# Altium PCB IOT_V1.2.PcbDoc (part 1 of 2) (continued)
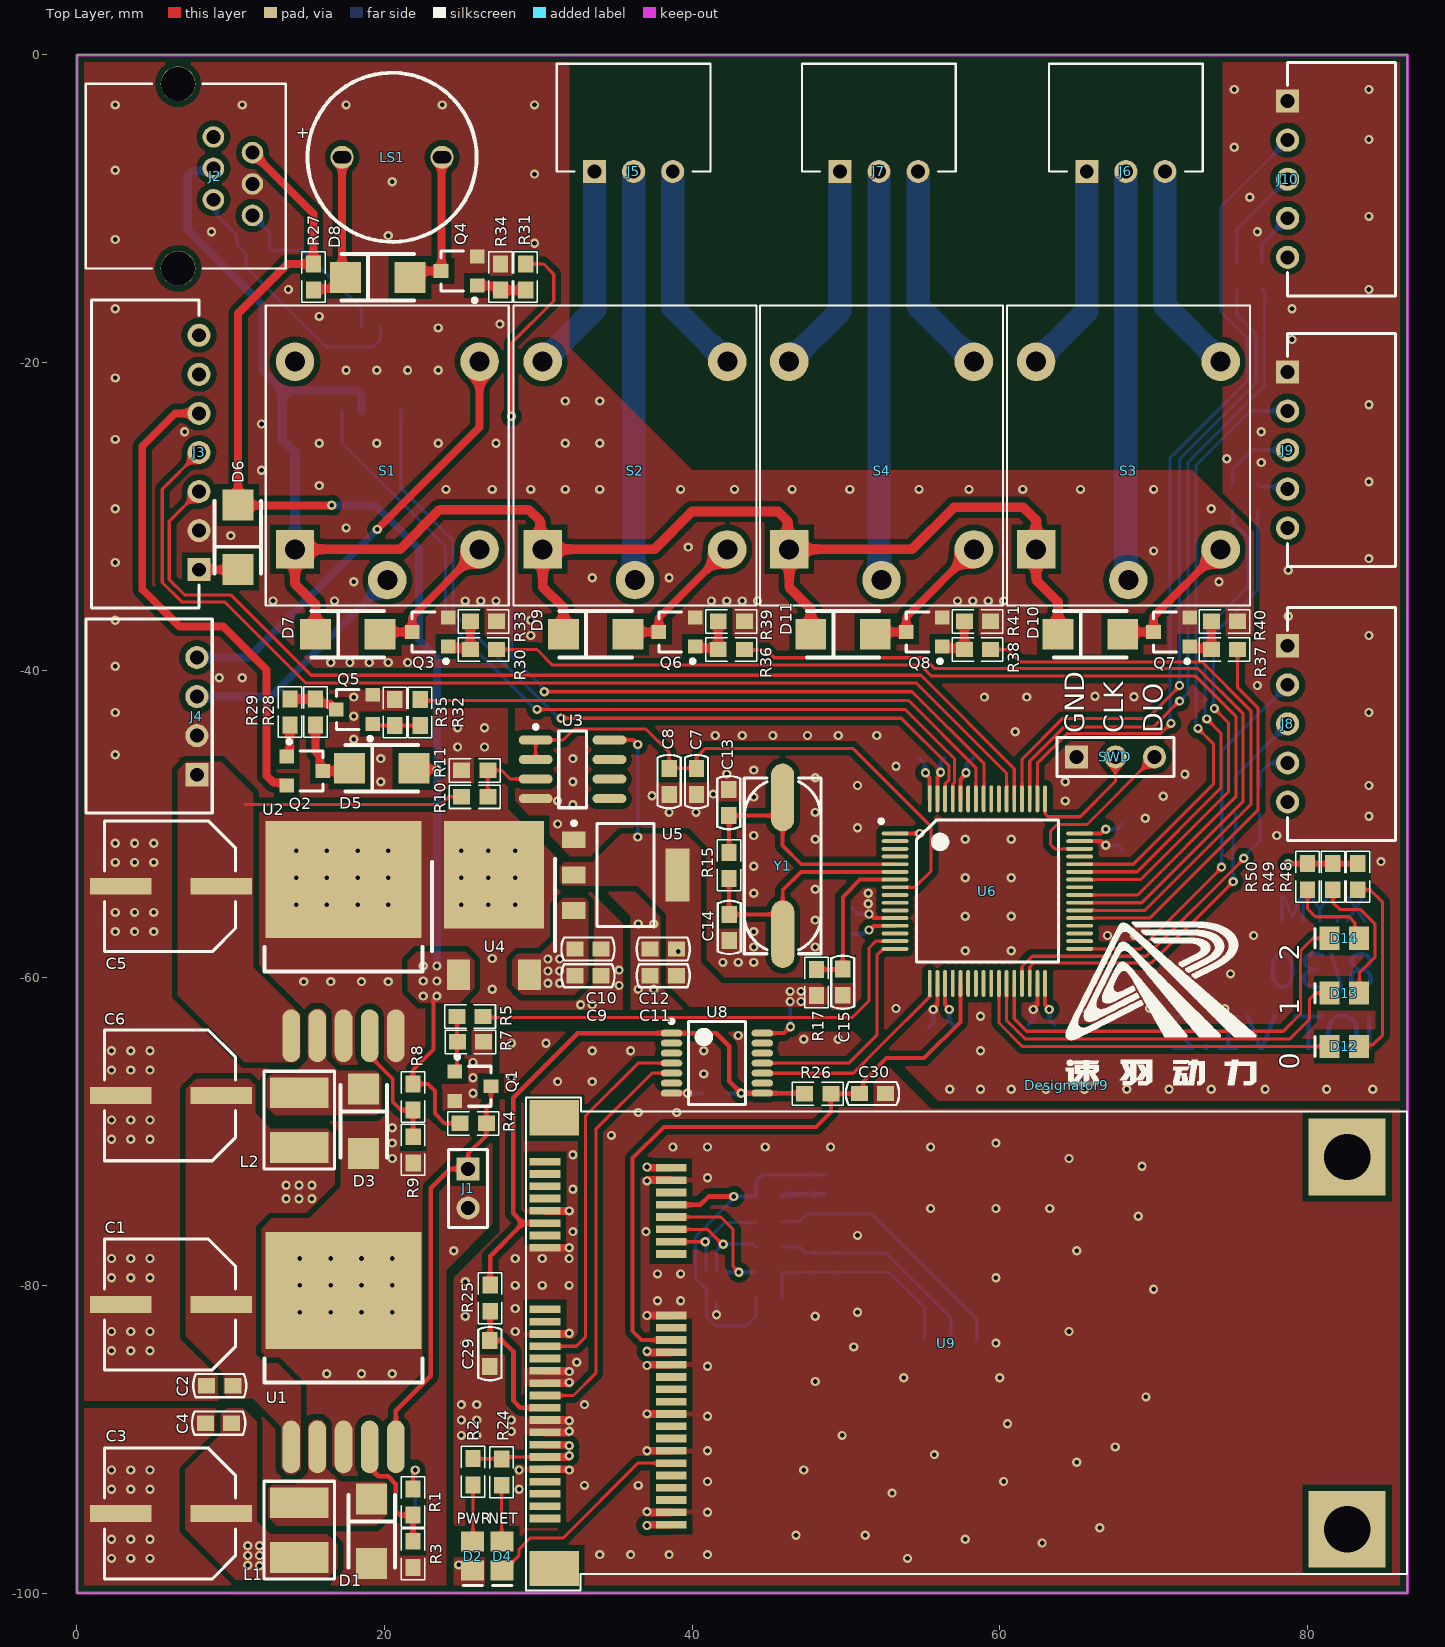
[diagram p0: Top Layer view]
## Components (designator, comment, footprint, x,y, rotation, side; value= is the part's Value field where it differs from the comment) (continued)
R27 "Res" 0603 15.381,-14.445 r90 top value=1KΩ
R28 "Res" 0603 15.511,-42.724 r90 top value=20KΩ
R29 "Res" 0603 13.853,-42.724 r270 top value=10Ω
R30 "Res" 0603 26.432,-38.661 r0 top value=1KΩ
R31 "Res" 0603 29.176,-14.445 r90 top value=1KΩ
R32 "Res" 0603 22.315,-42.75 r90 top value=10Ω
R33 "Res" 0603 26.432,-36.829 r180 top value=5KΩ
R34 "Res" 0603 27.544,-14.445 r270 top value=5KΩ
R35 "Res" 0603 20.676,-42.75 r270 top value=10KΩ
R36 "Res" 0603 42.545,-38.661 r0 top value=1KΩ
R37 "Res" 0603 74.613,-38.661 r0 top value=1KΩ
R38 "Res" 0603 58.547,-38.661 r0 top value=1KΩ
R39 "Res" 0603 42.545,-36.829 r180 top value=5KΩ
R40 "Res" 0603 74.613,-36.829 r180 top value=5KΩ
R41 "Res" 0603 58.547,-36.829 r180 top value=5KΩ
R42 "Res" 0603 76.899,-48.488 r270 bottom value=100Ω
R43 "Res" 0603 76.748,-28.727 r270 bottom value=100Ω
R44 "Res" 0603 77.032,-14.35 r270 bottom value=100Ω
R45 "Res" 0603 75.332,-48.513 r270 bottom value=100Ω
R46 "Res" 0603 75.124,-28.727 r270 bottom value=100Ω
R47 "Res" 0603 75.405,-14.35 r270 bottom value=100Ω
R48 "Res" 0603 83.284,-53.428 r270 top value=1KΩ
R49 "Res" 0603 81.658,-53.428 r270 top value=1KΩ
R50 "Res" 0603 80.005,-53.428 r270 top value=1KΩ
S1 "Delay" SongLe_Relay 20.18,-26.048 r270 top locked
S2 "Delay" SongLe_Relay 36.284,-26.048 r270 top locked
S3 "Delay" SongLe_Relay 68.364,-26.048 r270 top locked
S4 "Delay" SongLe_Relay 52.311,-26.048 r270 top locked
SWD "Header3" Header_3X1_2.54_排针 64.983,-45.642 r0 top
U1 "LM2576-ADJ" "TO-263-5 无背面散热" 16.955,-85.344 r180 top
U2 "LM2596" "TO-263-5 无背面散热" 16.955,-58.614 r180 top
U3 "LMV358" OPA2350 32.225,-46.446 r0 top locked
U4 "7805" TO-252 27.122,-56.551 r0 top
U5 "ASM1117-3.3" SOT-223 35.674,-53.325 r270 top
U6 "STM32F103R" LQFP64 59.195,-54.369 r0 top locked
U7 "TJA1050" TJA1050 19.402,-17.607 r90 bottom
U8 "TXB0104PWR" TSSOP-14 41.61,-65.551 r0 top
U9 "EC200S-PCIe" MINIPCIE1 30.437,-71.955 r180 top locked
U10 "nano_sim" Nano_SIM_6P 52.727,-70.129 r270 bottom
U11 "SMF05C" SOT-363 41.587,-80.061 r90 bottom
Y1 "XTAL" X-SM49 45.885,-52.718 r270 top locked value=8MHz

## Footprints (in the part's own frame and the unit in brackets; to place one, negate y for a bottom-side part, rotate by r counter-clockwise, add the part's x,y. Pads: shape width x height; smd on the part's side, far side on the other; paste and mask are expansions set on the pad)
0603 [mm] "贴片带丝印"
  rect 1.1x1 smd: 1(-0.85,0) 2(0.85,0)
  silkscreen extent -1.65,-0.76 1.65,0.76, body extent -0.8,-0.38 0.8,0.47, height 0.6
0805 [mm] "贴片带丝印"
  rect 1.3x1.5 smd: 1(-0.95,0) 2(0.95,0)
  silkscreen extent -1.91,-1.02 1.91,1.02, body extent -1,-0.6 1,0.6, height 0.85
Cap8x10.5mm [mm] "for 470uf"
  rect 4x1.1 smd: 1(0.089,0) 2(-6.439,0)
  silkscreen extent -7.5,-4.25 1,4.25, body extent -7.5,-4 0.5,4, height 10
CAP-0603 [mm] "贴片电容"
  rect 1.1x1 smd: 1(-0.85,0) 2(0.85,0)
  silkscreen extent -1.73,-0.75 1.73,0.75, body extent -0.76,-0.38 0.76,0.38, height 0.78
CD43 [mm]
  rect 3.8x2 smd: 1(0,1.778) 2(0,-1.778)
  silkscreen extent -2.29,-3.18 2.29,3.17, body extent -2,-2.54 2,2.54, height 3.7
Header_2X1_2.54 [mm] "2.54间距排针"
  rect 1.5x1.5 hole 0.9: 1(0,0)
  round 1.5 hole 0.9: 2(2.54,0)
  silkscreen extent -1.27,-1.27 3.81,1.27
Header_3X1_2.54_排针 [mm] "2.54排针-3x1"
  rect 1.5x1.5 hole 0.9: 1(0,0)
  round 1.5 hole 0.9: 2(2.54,0) 3(5.08,0)
  silkscreen extent -1.27,-1.27 6.35,1.27, body extent -1.27,-1.27 6.35,1.27, height 9.2
Header_3X1_XH_2.54_弯脚 [mm] "2.54接插件-带塑料座-弯脚"
  rect 1.5x1.5 hole 0.9: 1(-2.54,0)
  round 1.5 hole 0.9: 2(0,0) 3(2.54,0)
  silkscreen extent -5,0 5,7, body extent -4.85,-0.46 5.15,7.18, height 5.95
Header_4P_XH_2.54_弯脚 [mm] "2.54间距XH弯脚接插件"
  rect 1.5x1.5 hole 0.9: 1(-3.81,0)
  round 1.5 hole 0.9: 2(-1.27,0) 3(1.27,0) 4(3.81,0)
  silkscreen extent -6.31,-1 6.31,7.2, body extent -6.26,-0.4 6.24,7.2, height 6.2
HEADER_5X1_XH_2.54_弯针 [mm] "XH_5Pin接插件_弯脚"
  rect 1.5x1.5 hole 0.9: 1(0,0)
  round 1.5 hole 0.9: 2(2.54,0) 3(5.08,0) 4(7.62,0) 5(10.16,0)
  silkscreen extent -2.5,0 12.66,7, body extent -2.42,-0.33 12.58,7.4, height 5.71
Header_7X1_XH_2.54_弯针 [mm] "XH_7x1弯针接插件,间距2.54mm"
  rect 1.5x1.5 hole 0.9: 1(-7.62,0)
  round 1.5 hole 0.9: 2(-5.08,0) 3(-2.54,0) 4(0,0) 5(2.54,0) 6(5.08,0) 7(7.62,0)
  silkscreen extent -10.12,0 9.92,7, body extent -10.08,-0.38 9.92,7.44, height 5.85
LED_0805 [mm] "贴片二极管"
  rect 1.3x1.5 smd: 1(-0.95,0) 2(0.95,0)
  silkscreen extent 1.9,-0.63 1.9,0.63, body extent -1.01,-0.62 1.01,0.62, height 1.1
LOGO_AR_阳 [mm]
  silkscreen extent -0.05,-0.03 12.34,10.63
LQFP64 [mm] "64引脚芯片-无散热盘"
  oval 1.75x0.25 smd: 1(-6,3.75) 2(-6,3.25) 3(-6,2.75) 4(-6,2.25) 5(-6,1.75) 6(-6,1.25) 7(-6,0.75) 8(-6,0.25) 9(-6,-0.25) 10(-6,-0.75) 11(-6,-1.25) 12(-6,-1.75) 13(-6,-2.25) 14(-6,-2.75) 15(-6,-3.25) 16(-6,-3.75) 33(6,-3.75) 34(6,-3.25) 35(6,-2.75) 36(6,-2.25) 37(6,-1.75) 38(6,-1.25) 39(6,-0.75) 40(6,-0.25) 41(6,0.25) 42(6,0.75) 43(6,1.25) 44(6,1.75) 45(6,2.25) 46(6,2.75) 47(6,3.25) 48(6,3.75)
  oval 0.25x1.75 smd: 17(-3.75,-6) 18(-3.25,-6) 19(-2.75,-6) 20(-2.25,-6) 21(-1.75,-6) 22(-1.25,-6) 23(-0.75,-6) 24(-0.25,-6) 25(0.25,-6) 26(0.75,-6) 27(1.25,-6) 28(1.75,-6) 29(2.25,-6) 30(2.75,-6) 31(3.25,-6) 32(3.75,-6) 49(3.75,6) 50(3.25,6) 51(2.75,6) 52(2.25,6) 53(1.75,6) 54(1.25,6) 55(0.75,6) 56(0.25,6) 57(-0.25,6) 58(-0.75,6) 59(-1.25,6) 60(-1.75,6) 61(-2.25,6) 62(-2.75,6) 63(-3.25,6) 64(-3.75,6)
  silkscreen extent -7.02,-4.61 4.61,4.67, body extent -5.99,-5.93 6.01,6.07, height 1.6
MINIPCIE1 [mm] "EC200T"
  rect 5x5 hole 3: 0(-52.15,-0.3) 0(-52.15,23.9)
  rect 3.2x2.3 smd: 0(-0.6,26.45) 0(-0.6,-2.85)
  rect 2x0.5 smd: 1(0,0) 2(-8.2,0.4) 3(0,0.8) 4(-8.2,1.2) 5(0,1.6) 6(-8.2,2) 7(0,2.4) 8(-8.2,2.8) 9(0,3.2) 10(-8.2,3.6) 11(0,4) 12(-8.2,4.4) 13(0,4.8) 14(-8.2,5.2) 15(0,5.6) 16(-8.2,6) 17(0,9.6) 18(-8.2,10) 19(0,10.4) 20(-8.2,10.8) 21(0,11.2) 22(-8.2,11.6) 23(0,12) 24(-8.2,12.4) 25(0,12.8) 26(-8.2,13.2) 27(0,13.6) 28(-8.2,14) 29(0,14.4) 30(-8.2,14.8) 31(0,15.2) 32(-8.2,15.6) 33(0,16) 34(-8.2,16.4) 35(0,16.8) 36(-8.2,17.2) 37(0,17.6) 38(-8.2,18) 39(0,18.4) 40(-8.2,18.8) 41(0,19.2) 42(-8.2,19.6) 43(0,20) 44(-8.2,20.4) 45(0,20.8) 46(-8.2,21.2) 47(0,21.6) 48(-8.2,22) 49(0,22.4) 50(-8.2,22.8) 51(0,23.2) 52(-8.2,23.6)
  silkscreen extent -56.02,-4.17 1.22,27.87, body extent -55.2,-3 0,27, height 4.4
Nano_SIM_6P [mm]
  rect 1.3x1.8 smd: 0(0,-8.8) 0(0,0) 0(11.7,-8.8) 0(11.7,0)
  rect 0.9x1.2 smd: 1(2.68,4.1) 2(5.22,4.1) 3(7.76,4.1) 4(3.95,4.1) 5(6.49,4.1) 6(9.03,4.1)
  silkscreen extent 0,-10 11.7,4.1, body extent -0.42,-10 11.98,4.1, height 1.55
OPA2350 [mm] "SOIC, 8-Leads, Body 4.9x3.9mm, Pitch 1.27mm, IPC Medium Density"
  oval 2.2x0.6 smd: 1(-2.4,1.905) 2(-2.4,0.635) 3(-2.4,-0.635) 4(-2.4,-1.905) 5(2.4,-1.905) 6(2.4,-0.635) 7(2.4,0.635) 8(2.4,1.905)
  silkscreen extent -2.52,-2.5 0.9,2.88, body extent -1.95,-2.45 1.95,2.45, height 1.75
SMA(DO-214AC) [mm] "SS系列肖特基二极管"
  rect 2x2 smd: 1(2.1,0) 2(-2.1,0)
  silkscreen extent -2.35,-1.5 2.35,1.52
SongLe_Relay [mm]
  rect 2.5x2.5 hole 1.3: 1(6.1,-6)
  round 2.5 hole 1.3: 2(8.1,0) 3(6.1,6) 4(-6.1,6) 6(-6.1,-6)
  silkscreen extent -9.75,-7.9 9.75,7.9, body extent -9.68,-7.75 9.42,7.75, height 15.6
SOT-23 [mm]
  rect 0.9x0.95 smd: 1(-0.95,-1.175) 2(0.95,-1.175) 3(0,1.175)
  silkscreen extent -2.03,-1.14 1.3,1.18, body extent -1.5,-1.25 1.5,1.25, height 1.15
SOT-23-MOSFET [mm] "SOT-23封装MOSFET"
  rect 0.9x0.95 smd: D(0,1.175) G(-0.95,-1.175) S(0.95,-1.175)
  silkscreen extent -2.03,-1.14 1.3,1.18, body extent -1.5,-1.25 1.5,1.25, height 1.15
SOT-223 [mm]
  rect 1.1x1.55 smd: 1(-2.3,-3.375) 2(0,-3.375) 3(2.3,-3.375)
  rect 3.45x1.55 smd: 2(0,3.375)
  silkscreen extent -3.5,-3.48 3.35,1.85, body extent -3,-3.23 3.5,3.73, height 1.7
SOT-363 [mm] "SOT-363封装"
  rect 1.1x0.35 smd: 1(-1,0.65)
  oval 1.1x0.35 smd: 2(-1,0) 3(-1,-0.65) 4(1,-0.65) 5(1,0) 6(1,0.65)
  silkscreen extent -1.09,-1.05 0.65,1.35, body extent -1.15,-1.1 1.25,1.1, height 1.1
TJA1050 [mm] "SOIC, 8-Leads, Body 4.90x3.90mm, Pitch 1.27mm, IPC Medium Density"
  oval 1.45x0.6 smd: 1(-5.519,1.651) 2(-5.519,0.381) 3(-5.519,-0.889) 4(-5.519,-2.159) 5(-0.069,-2.159) 6(-0.069,-0.889) 7(-0.069,0.381) 8(-0.069,1.651)
  silkscreen extent -5.64,-2.75 -1.19,2.63, body extent -4.79,-2.75 -0.79,2.25, height 1.45
TO-252 [mm] "TO-252封装MOS管"
  rect 1.5x2 smd: 1(-2.311,-3.25) 3(2.311,-3.25)
  rect 6.5x7 smd: 2(-0.011,3.25)
  silkscreen extent -4.03,-1.73 3.95,4.27, body extent -3.34,-3.64 3.24,6.06, height 2.3
"TO-263-5 无背面散热" [mil]
  rect 400x300 smd: 0(-15,-197)
  oval 45x135 smd: 1(119,203) 2(52,203) 3(-15,203) 4(-82,203) 5(-149,203)
  silkscreen extent -217,-24 187,38, body extent -220,-343 190,223, height 203
TSSOP-14 [mm]
  oval 1.4x0.45 smd: 1(-2.95,1.95) 2(-2.95,1.3) 3(-2.95,0.65) 4(-2.95,0) 5(-2.95,-0.65) 6(-2.95,-1.3) 7(-2.95,-1.95) 8(2.95,-1.95) 9(2.95,-1.3) 10(2.95,-0.65) 11(2.95,0) 12(2.95,0.65) 13(2.95,1.3) 14(2.95,1.95)
  silkscreen extent -3.07,-2.7 1.85,2.85, body extent -2.25,-2.7 2.25,2.7, height 0.2
X-SM49 [mm] "贴片晶振"
  oval 4.4x1.5 smd: 1(4.45,0.004) 2(-4.45,-0.004)
  silkscreen extent -5.7,-2.5 5.72,2.5, body extent -6.15,-2.35 6.15,2.35, height 4.4
标准接口-直插-灰色 [mm] "90度直插RJ11接口-小型-间距1.02mm"
  round 1.4 hole 0.9: 1(0,0) 2(-1.02,-2.54) 3(-2.04,0) 4(-3.06,-2.54) 5(-4.08,0) 6(-5.1,-2.54)
  round 2.25 hole 2.2: ""(-8.55,2.3) ""(3.45,2.3)
  silkscreen extent -8.55,-4.7 3.45,8.3, body extent -9.79,-4.66 4.61,8.34, height 14.8
"蜂鸣器 9*5mm" [mm]
  round 1.5 / inner round 1.5 / far side round 2 hole 0.8 slot 1.2 at 0 deg: 1(-3.25,0) 2(3.25,0)
  silkscreen extent -5.5,-5.5 5.5,5.5, body extent -6,-6 9.45,6, height 9.75

## Part data
C1 C3 C5 C6: "贴片电解电容 8*10.5mm", LatestRevisionDate=17-Jul-2002, LatestRevisionNote="Re-released for DXP Platform.", PackageReference=POLAR0.8, Published=8-Jun-2000, Publisher="Altium Limited"
C2 C4 C7 C8 C9 C10 C11 C12 C13 C14 C15 C16 C17 C18 C19 C20 C21 C22 C23 C24 C25 C26 C27 C28 C29 C30: "无极性电容", LatestRevisionDate=17-Jul-2002, LatestRevisionNote="Re-released for DXP Platform.", PackageReference=RAD-0.3, Published=8-Jun-2000, Publisher="Altium Limited"
D1 D3 D5 D6 D7 D8 D9 D10 D11: library part "D Schottky", "Schottky Diode", Code_JEDEC=DO-214-AA, LatestRevisionDate=17-Jul-2002, LatestRevisionNote="Re-released for DXP Platform.", PackageReference=SMB, Published=8-Jun-2000, Publisher="Altium Limited"
D2 D4 D12 D13 D14: "发光二极管", LatestRevisionDate=08-Jul-2005, LatestRevisionNote="Mech Layer 1 removed.", PackageReference=LED-0, Published=8-Jun-2000, Publisher="Altium Limited"
J1 J3 J4 J5 J6 J7 J8 J9 J10 SWD: "接插件"
  J1 J4: LatestRevisionDate=17-Jul-2002, LatestRevisionNote="Re-released for DXP Platform.", Publisher="Altium Limited"
L1 L2: "贴片功率电感", Code_IEC=1005, Code_JEITA=0402, LatestRevisionDate=17-Jul-2002, LatestRevisionNote="Re-released for DXP Platform.", PackageReference=0402-A, Published=8-Jun-2000, Publisher="Altium Limited"
LS1: library part Speaker, "Loudspeaker", LatestRevisionDate=17-Jul-2002, LatestRevisionNote="Re-released for DXP Platform.", Published=24-Mar-1999, Publisher="Altium Limited"
Q1 Q3 Q4 Q6 Q7 Q8: "NPN贴片三极管", PackageDocument=Sep-1998, Code_JEDEC=TO-92A, ComponentLink1Description="Manufacturer Link", ComponentLink1URL=http://www.fairchildsemi.com/, ComponentLink2Description=Datasheet, ComponentLink2URL=http://www.fairchildsemi.com/ds/2N%2F2N3904.pdf, DatasheetDocument=1997, LatestRevisionDate=15-Jan-2003, LatestRevisionNote="PCB Footprint 'BCY-W3/D4.7' replaced", PackageReference=TO-92A, Published=8-Jun-2000, Publisher="Altium Limited"
Q2: library part MOSFET-N, "N沟道MOS管"
Q5: library part MOSFET-P, "P沟道MOS管"
R1 R2 R3 R4 R5 R6 R7 R8 R9 R10 R11 R12 R15 R16 R17 R18 R19 R20 R21 R22 R23 R24 R25 R26 R27 R28 R29 R30 R31 R32 R33 R34 R35 R36 R37 R38 R39 R40 R41 R42 R43 R44 R45 R46 R47 R48 R49 R50: "贴片电阻", LatestRevisionDate=17-Jul-2002, LatestRevisionNote="Re-released for DXP Platform.", PackageReference=AXIAL-0.4, Published=8-Jun-2000, Publisher="Altium Limited"
S1 S2 S3 S4: library part SongLe_Relay, "松乐继电器"
U1: library part LM2576
U2: "DC/DC"
U4: "三端稳压器7805"
U5: library part ASM1117, "3.3V稳压芯片"
U6: "STM32单片机64引脚", I/Os (High Current)=51, Operating Frequency(F) (Processor speed) (MHz)=72, PartNumber=STM32F103RGT6, Supplier Part Number 1=497-11118-ND, Supply Voltage(Vcc) min (V)=2, A/D Converter="3x12-bit (16 Channel)", ComponentLink1Description="Manufacturer URL", ComponentLink1URL=http://www.st.com/web/en/home.html, ComponentLink2Description=Datasheet, ComponentLink2URL=http://www.st.com/st-web-ui/static/active/en/resource/technical/document/datasheet/CD00253742.pdf, ComponentLink3Description="Package Specification", ComponentLink3URL=http://www.st.com/st-web-ui/static/active/en/resource/technical/document/datasheet/DM00037051.pdf, Core="ARM Cortex-M3", D/A Converter="2x12-bit (2 Channel)", DatasheetVersion="Rev. 3", FLASH Size (Prog) (kB)=1024, Internal RAM Size (kB)=96, Mounting Technology="Surface Mount", PackageDescription="64-Pin Low Profile Quad Flat Package, 10 x 10 mm Body, 0.5 mm Pitch", PackageReference=LQFP64, PackageVersion="Rev. 4, 06/2013", Packing=Tray, Supplier 1=Digi-Key, Supplier 2=Farnell, Supplier 3=Newark, Supplier 4=Mouser, Supplier Part Number 2=2215220, Supplier Part Number 3=21T4016, Supplier Part Number 4=511-STM32F103RGT6
U7: "CAN收发器芯片"
U8: "电平转换芯片"
U9: library part EC200T-PCIe
Y1: "晶振", LatestRevisionDate=17-Jul-2002, LatestRevisionNote="Re-released for DXP Platform.", PackageReference=R38, Published=8-Jun-2000, Publisher="Altium Limited"
U3: Code_IPC=SOIC127P600-8, Code_JEDEC=MS-012-AA, ComponentLink1Description="Manufacturer Link", ComponentLink1URL=http://www.onsemi.com/site/products/parametrics/0,4446,251,00.html, ComponentLink2Description=Datasheet, ComponentLink2URL=http://www.onsemi.com/pub/Collateral/LM358-D.PDF, DatasheetVersion=1988, LatestRevisionDate=13-Apr-2006, LatestRevisionNote="IPC-7351 Footprint Added.", PackageDescription="8-Pin Small Outline Integrated Circuit 1.27 mm Pitch", PackageReference=751-02, Published=17-Jul-2002, Publisher="Altium Limited"

## Via types
v1: diameter 0.6, hole 0.3, Top Layer to Bottom Layer, tented both sides, 487 vias

## Nets (pads, with @x,y where several pads share a name; then routed paths per layer and width w, separated by ;. In a path a pad name is that pad's centre, name@x,y a point inside that pad or via, vN(x,y) a via of type N, cw(c..) or ccw(c..) an arc to the next point about the centre after c; other vN are vias at no path point)
3V3: C11.2 C12.2 C16.2 C17.2 C18.2 C19.2 C20.2 J8.5 J9.5 J10.5 R17.1 R48.1 R49.1 R50.1 U3.8 U5.2 U6.1 U6.13 U6.19 U6.32 U6.48 U6.64 U8.14 | length 32.6
  Top Layer w0.254: U3.8@34.625,-44.541 36.172,-44.541 v1(36.462,-44.831) ; U8.14@44.56,-63.601 45.962,-63.601 46.373,-63.19 v1(46.393,-63.19) ; v1(51.499,-56.894) 51.547,-56.894 51.82,-56.621 U6.13@53.195,-56.621 ; U6.1@53.195,-50.619 v1(54.804,-50.619) ; v1@55.169,-46.72 55.443,-46.994 U6.64@55.443,-48.369 ; U6.19@56.447,-60.369 56.447,-61.743 v1@56.721,-62.017 ; U6.32@62.947,-60.369 62.947,-61.743 v1@63.221,-62.017 ; U6.48@65.195,-50.617 66.569,-50.617 v1@66.843,-50.343
  Top Layer w0.305: v1(78.74,-52.578) R50.1@80.005,-52.578 R49.1@81.658,-52.578 R48.1@83.284,-52.578
  Bottom Layer w0.254: v1(36.462,-50.851) v1(36.462,-44.831) ; v1(46.368,-61.544) 46.381,-61.557 46.381,-63.178 v1(46.393,-63.19) ; C19.2@50.406,-57.149 51.19,-57.149 51.445,-56.894 v1(51.499,-56.894) ; C17.2@54.7,-45.72 54.75,-45.72 55.123,-46.093 55.123,-46.626 v1(55.169,-46.672) ; v1@56.721,-62.09 56.721,-62.83 C18.2@57.086,-63.195 ; v1@63.221,-62.09 63.221,-62.701 C20.2@63.575,-63.056 ; v1(66.891,-50.343) 67.654,-50.343 C16.2@67.983,-50.013
  other v1: 56.721,-62.065 63.221,-62.065 47.079,-61.544 46.368,-60.884 47.079,-60.884 39.103,-58.293
3V8: C3.1 C4.2 C25.2 C26.2 C27.2 C28.2 L1.2 R1.1 R2.2 R24.1 U9.2 U9.24 U9.39 U9.41 U9.52 | length 16.2
  Top Layer w0.203: R1.1@21.85,-93.234 21.85,-92.15 v1(22,-92) ; R2.2@25.751,-91.267 27.592,-91.267 R24.1@27.617,-91.292 27.754,-91.155 U9.41@30.437,-91.155
  Top Layer w0.508: U9.41@30.437,-91.155 31.936,-91.155 v1(32.012,-91.079) ; U9.39@30.437,-90.355 31.936,-90.355 v1(32.012,-90.431) ; v1@37.061,-95.555 U9.52@38.637,-95.555 ; v1@37.061,-84.355 U9.24@38.637,-84.355 ; v1@37.061,-72.355 U9.2@38.637,-72.355
  Bottom Layer w0.203: 22,-94.25 v1(22,-92)
  other v1: 11.875,-98.222 11.113,-98.196 11.113,-97.561 11.875,-97.561 11.113,-96.926 11.875,-96.926 37.061,-95.606 37.061,-84.279 37.061,-72.304
5V: C9.2 C10.2 D7.2 D9.2 D10.2 D11.2 J2.3 S1.1 S2.1 S3.1 S4.1 U4.3 U5.3 U7.3 | length 117.4
  Top Layer w0.635: D7.2@15.514,-37.668 15.514,-35.719 14.18,-34.386 S1.1@14.18,-32.148 21.002,-32.148 23.584,-29.566 29.375,-29.566 30.127,-30.317 30.127,-31.99 S2.1@30.284,-32.148 ; D9.2@31.631,-37.668 31.631,-35.937 30.284,-34.589 S2.1@30.284,-32.148 ; D11.2@47.71,-37.668 47.71,-36.013 46.311,-34.615 S4.1@46.311,-32.148 ; D10.2@63.788,-37.668 63.788,-35.556 62.364,-34.132 S3.1@62.364,-32.148 62.364,-30.246 61.532,-29.413 57.01,-29.413 54.276,-32.148 S4.1@46.311,-32.148 ; S2.1@30.284,-32.148 37.537,-32.148 39.992,-29.693 45.58,-29.693 46.205,-30.317 46.205,-32.041 S4.1@46.311,-32.148
  Bottom Layer w0.508: J2.3@8.876,-7.374 8.705,-7.545 7.499,-7.545 7.201,-7.842 7.201,-11.405 12.052,-16.256 12.052,-20.523 13.348,-21.819 18.198,-21.819 18.496,-22.116 18.496,-23.108 U7.3@18.513,-23.126
  Bottom Layer w0.635: 13.348,-21.819 13.348,-25.019 14.18,-25.852 S1.1@14.18,-32.148
  other v1: 30.62,-60.35 31.382,-60.35 30.62,-59.563 31.382,-59.563 30.62,-58.776 31.382,-58.776
15V: C1.1 C2.2 C6.1 D5.1 D6.1 J2.2 L2.2 R4.1 R8.1 R27.2 U1.1 U4.1 | length 80.7
  Top Layer w0.254: v1@23.178,-61.341 23.178,-64.668 21.85,-65.996 R8.1@21.85,-66.901 22.819,-66.901 23.279,-67.361 23.279,-68.834 23.909,-69.464 R4.1@24.917,-69.464
  Top Layer w0.508: J2.2@11.416,-6.354 15.381,-10.319 R27.2@15.381,-13.595 13.698,-13.595 10.478,-16.815 D6.1@10.478,-29.256 10.508,-29.286 v1(16.574,-29.286) ; D5.1@21.924,-46.379 22.001,-46.457 v1(23.406,-46.457)
  Bottom Layer w0.508: v1(16.574,-29.286) 19.393,-29.286 22.25,-32.143 22.25,-38.036 23.406,-39.192 v1(23.406,-46.457) v1(23.406,-59.233)
  other v1: 13.602,-74.371 14.44,-74.371 15.278,-74.371 13.602,-73.482 14.44,-73.482 15.278,-73.482 22.517,-61.189 23.406,-61.189 22.517,-60.211 23.406,-60.211 22.517,-59.233
36V: C5.1 J4.1 R10.2 U2.1 | length 14.3
  Top Layer w0.203: 10.947,-48.743 23.66,-48.743 24.169,-48.234 R10.2@25.017,-48.234
AGND: C1.2 C2.1 C5.2 C6.2 C9.1 C10.1 D1.1 D3.1 J1.2 J2.4 J3.2 J4.2 Q1.2 Q3.2 Q4.2 Q5.S Q6.2 Q7.2 Q8.2 R3.1 R6.1 R7.2 R9.1 R11.1 R12.1 R33.1 R34.1 R35.1 R39.1 R40.1 R41.1 U1.0 U1.3 U2.0 U2.3 U2.5 U4.2 U7.2 U7.8
  other v1: 16.25,-85.75 18.5,-85.75 20.5,-85.75 2.25,-84.25 3.5,-84.25 4.75,-84.25 2.25,-83 3.5,-83 4.75,-83 14.5,-81.75 16.5,-81.75 18.5,-81.75 20.5,-81.75 14.5,-80 16.5,-80 18.5,-80 20.5,-80 2.25,-79.5 3.5,-79.5 4.75,-79.5 2.25,-78.25 3.5,-78.25 4.75,-78.25 14.5,-78.25 16.5,-78.25 18.5,-78.25 20.5,-78.25 24.5,-77.75 20.5,-71.75 20.5,-70.75 2.25,-70.5 3.5,-70.5 4.75,-70.5 20.5,-69.75 2.25,-69.25 3.5,-69.25 4.75,-69.25 25.75,-67.5 25.75,-66.5 2.25,-66 3.5,-66 4.75,-66 25.75,-65.5 2.25,-64.75 3.5,-64.75 4.75,-64.75 32.75,-61.75 33.5,-61.75 27,-60.75 35.25,-60.5 14.75,-60.25 16.5,-60.25 18.5,-60.25 20.25,-60.25 35.25,-59.5 27,-58.75 2.5,-57 3.75,-57 5,-57 2.5,-55.75 3.75,-55.75 5,-55.75 14.25,-55.25 16.25,-55.25 18.25,-55.25 20.25,-55.25 25,-55.25 26.75,-55.25 28.5,-55.25 14.25,-53.5 16.25,-53.5 18.25,-53.5 20.25,-53.5 25,-53.5 26.75,-53.5 28.5,-53.5 2.5,-52.5 3.75,-52.5 5,-52.5 14.25,-51.75 16.25,-51.75 18.25,-51.75 20.25,-51.75 25,-51.75 26.75,-51.75 28.5,-51.75 2.5,-51.25 3.75,-51.25 5,-51.25 19.75,-47.25 19.75,-45.75 2.5,-45.5 24.75,-45 26.5,-45 18,-44.5 24.75,-43.75 26.5,-43.75 18,-43 2.5,-42.75 18,-41.75 9.25,-40.5 10.75,-40.5 2.5,-39.75 16.5,-39.5 17.75,-39.5 19,-39.5 20.25,-39.5 21.5,-39.5 29.5,-37.75 2.5,-36.75 29.5,-36.75 12.75,-35.5 16.75,-35.5 25.25,-35.5 26.25,-35.5 27.25,-35.5 41.25,-35.5 42.25,-35.5 43.25,-35.5 44.25,-35.5 57.25,-35.5 58.25,-35.5 59.25,-35.5 60.25,-35.5 18,-34.25 74.25,-34.25 33.5,-34 38.5,-34 2.5,-33 70,-32.25 39.75,-32 10,-31.25 17.5,-30.75 2.5,-29.5 73.75,-29.5 24,-28.25 27,-28.25 29.5,-28.25 31.75,-28.25 34,-28.25 39.25,-28.25 42.75,-28.25 46.5,-28.25 50.25,-28.25 54.75,-28.25 58,-28.25 61.5,-28.25 65.25,-28.25 70,-28.25 15.75,-28 12,-27 15.75,-25.25 19.5,-25.25 23.5,-25.25 27.25,-25.25 31.75,-25.25 34,-25.25 2.5,-25 7,-24.5 12,-24 31.75,-22.5 34,-22.5 2.5,-21 17.5,-20.5 19.5,-20.5 21.5,-20.5 23.5,-20.5 23.5,-17.75 27.5,-17.5 15.75,-17 2.5,-16.5 13.75,-15.25 29.75,-12.25 2.5,-12 20.25,-11.75 8.75,-11.5 20.5,-8.25 29.75,-7.75 2.5,-7.5 2.5,-3.25 10.75,-3.25 17.5,-3.25 23.75,-3.25 29.75,-3.25
CAN_H: J2.5 R18.2 U7.7 | length 17.2
  Bottom Layer w0.203: J2.5@8.876,-9.414 9.085,-9.623 9.085,-10.419 10.386,-11.719 10.386,-12.327 10.784,-12.725 R18.2@10.834,-12.725 10.986,-12.877 10.986,-13.767 16.193,-18.974 19.266,-18.974 19.737,-18.503 19.737,-17.722 U7.7@19.783,-17.676
CAN_L: J2.6 R18.1 U7.6 | length 11.6
  Bottom Layer w0.203: J2.6@11.416,-10.434 11.416,-10.616 11.598,-10.616 12.534,-11.552 R18.1@12.534,-12.725 14.719,-12.725 18.513,-16.519 U7.6@18.513,-17.676
EC200_RXD: U8.4 U9.23 | length 24.3
  Top Layer w0.203: U9.23@30.437,-83.955 32.466,-83.955 33.058,-83.363 33.058,-68.988 36.495,-65.551 U8.4@38.66,-65.551
EC200_TXD: U8.5 U9.31 | length 26.2
  Top Layer w0.203: U9.31@30.437,-87.155 32.289,-87.155 33.744,-85.7 33.744,-69.85 37.393,-66.201 U8.5@38.66,-66.201
EXT: R19.2 R25.2 R26.1 U8.1 U8.8 U9.11 | length 39.3
  Top Layer w0.305: R25.2@26.867,-79.979 26.867,-78.091 29.003,-75.955 ; U9.11@30.437,-75.955 29.003,-75.955 ; R26.1@47.315,-67.539 47.277,-67.501 U8.8@44.56,-67.501 v1(43.181,-67.501) 42.405,-66.726 42.405,-64.44 41.567,-63.601 U8.1@38.66,-63.601 32.55,-63.601 28.359,-67.793 28.359,-75.311 29.003,-75.955
  Bottom Layer w0.305: R19.2@42.339,-67.512 42.349,-67.501 v1(43.181,-67.501)
GND: C7.1 C8.1 C11.1 C12.1 C13.1 C14.1 C15.1 C16.1 C17.1 C18.1 C19.1 C20.1 J8.1 J9.1 J10.1 R12.2 R16.1 SWD.1 U3.4 U5.1 U6.12 U6.18 U6.31 U6.47 U6.63 | length 14.9
  Top Layer w0.254: v1@51.511,-55.84 51.79,-56.119 U6.12@53.195,-56.119 ; v1@55.667,-62.052 55.945,-61.774 U6.18@55.945,-60.369 ; U6.63@55.945,-48.369 55.945,-46.945 56.152,-46.738 v1(56.152,-46.645) ; v1@62.167,-62.052 62.445,-61.774 U6.31@62.445,-60.369 ; U6.47@65.195,-51.119 66.6,-51.119 v1@66.878,-51.397
  Bottom Layer w0.254: C19.1@50.406,-55.449 50.406,-55.48 50.779,-55.853 v1(51.499,-55.853) ; C18.1@55.386,-63.195 55.679,-62.902 v1@55.679,-62.09 ; v1(56.152,-46.645) 56.152,-45.968 C17.1@56.4,-45.72 ; C20.1@61.875,-63.056 62.179,-62.752 v1@62.179,-62.09 ; v1(66.891,-51.384) 67.654,-51.384 C16.1@67.983,-51.713
  other v1: 56.75,-67.25 58.75,-67.25 60.75,-67.25 63,-67.25 65.5,-67.25 68.25,-67.25 71,-67.25 73.75,-67.25 77.25,-67.25 81.25,-67.25 84.25,-67.25 58.75,-64.75 58.75,-62.5 65.75,-62.25 55.679,-62.065 62.179,-62.065 74.621,-62.015 53.25,-62 69.75,-62 36.5,-60.75 37.5,-60.75 75,-59.75 42,-59 43,-59 44,-59 57.75,-58.25 60.75,-58.25 44,-58 48,-58 67,-57.25 68.75,-57.25 76.5,-57.25 44,-57 36.5,-56.5 37.5,-56.5 48,-56.25 57.75,-56 60.75,-56 51.448,-55.194 44,-54.5 51.448,-54.508 48,-54.25 57.75,-53.5 60.75,-53.5 44,-52.75 84.787,-52.449 48,-51 57.75,-51 60.75,-51 44,-50.75 78,-50.75 50.75,-50.25 31.25,-50 69.461,-49.622 84,-49.5 38.5,-49.25 40.25,-49.25 48,-49.25 32.25,-48.75 31.25,-48.5 64.25,-48.5 44,-48.25 70.63,-48.202 37.389,-48.158 41.377,-48.057 50.75,-47.5 84,-47.5 32.25,-47.25 64.25,-47.25 48,-47 42.25,-46.75 72.034,-46.761 44,-46.5 53.25,-46.25 32.25,-45.75 41.5,-44.25 43.25,-44.25 45.25,-44.25 47.5,-44.25 49.5,-44.25 52,-44.25 61,-44 84,-42.75 59,-41.75 61.75,-41.75 68.729,-41.725 66.19,-41.699 76.75,-41 84,-37.75 78.75,-36.5 78.75,-33.5 84,-32.75 84,-27.75 77,-26.5 74.75,-26.25 77,-24.5 84,-22.75 79,-18.5 79,-16.5 84,-15.25 76.75,-11.5 84,-10.5 76.25,-9.25 75.25,-6 84,-5.5 75.25,-2.25 84,-2.25